# Altium PCB CPU-board-multi-Ethernnet.PcbDoc (part 3 of 3)
Units mm, origin at the board's own origin, x right, y up, seen from the top; angles counter-clockwise.
Board outline 124.38 x 78.66 mm, 5 copper layers (L1, L1-2, L2, L3, L4); 321 components, 264 nets, 1005 pads, 365 vias.
Unrouted connection lines stored in the file: 97.
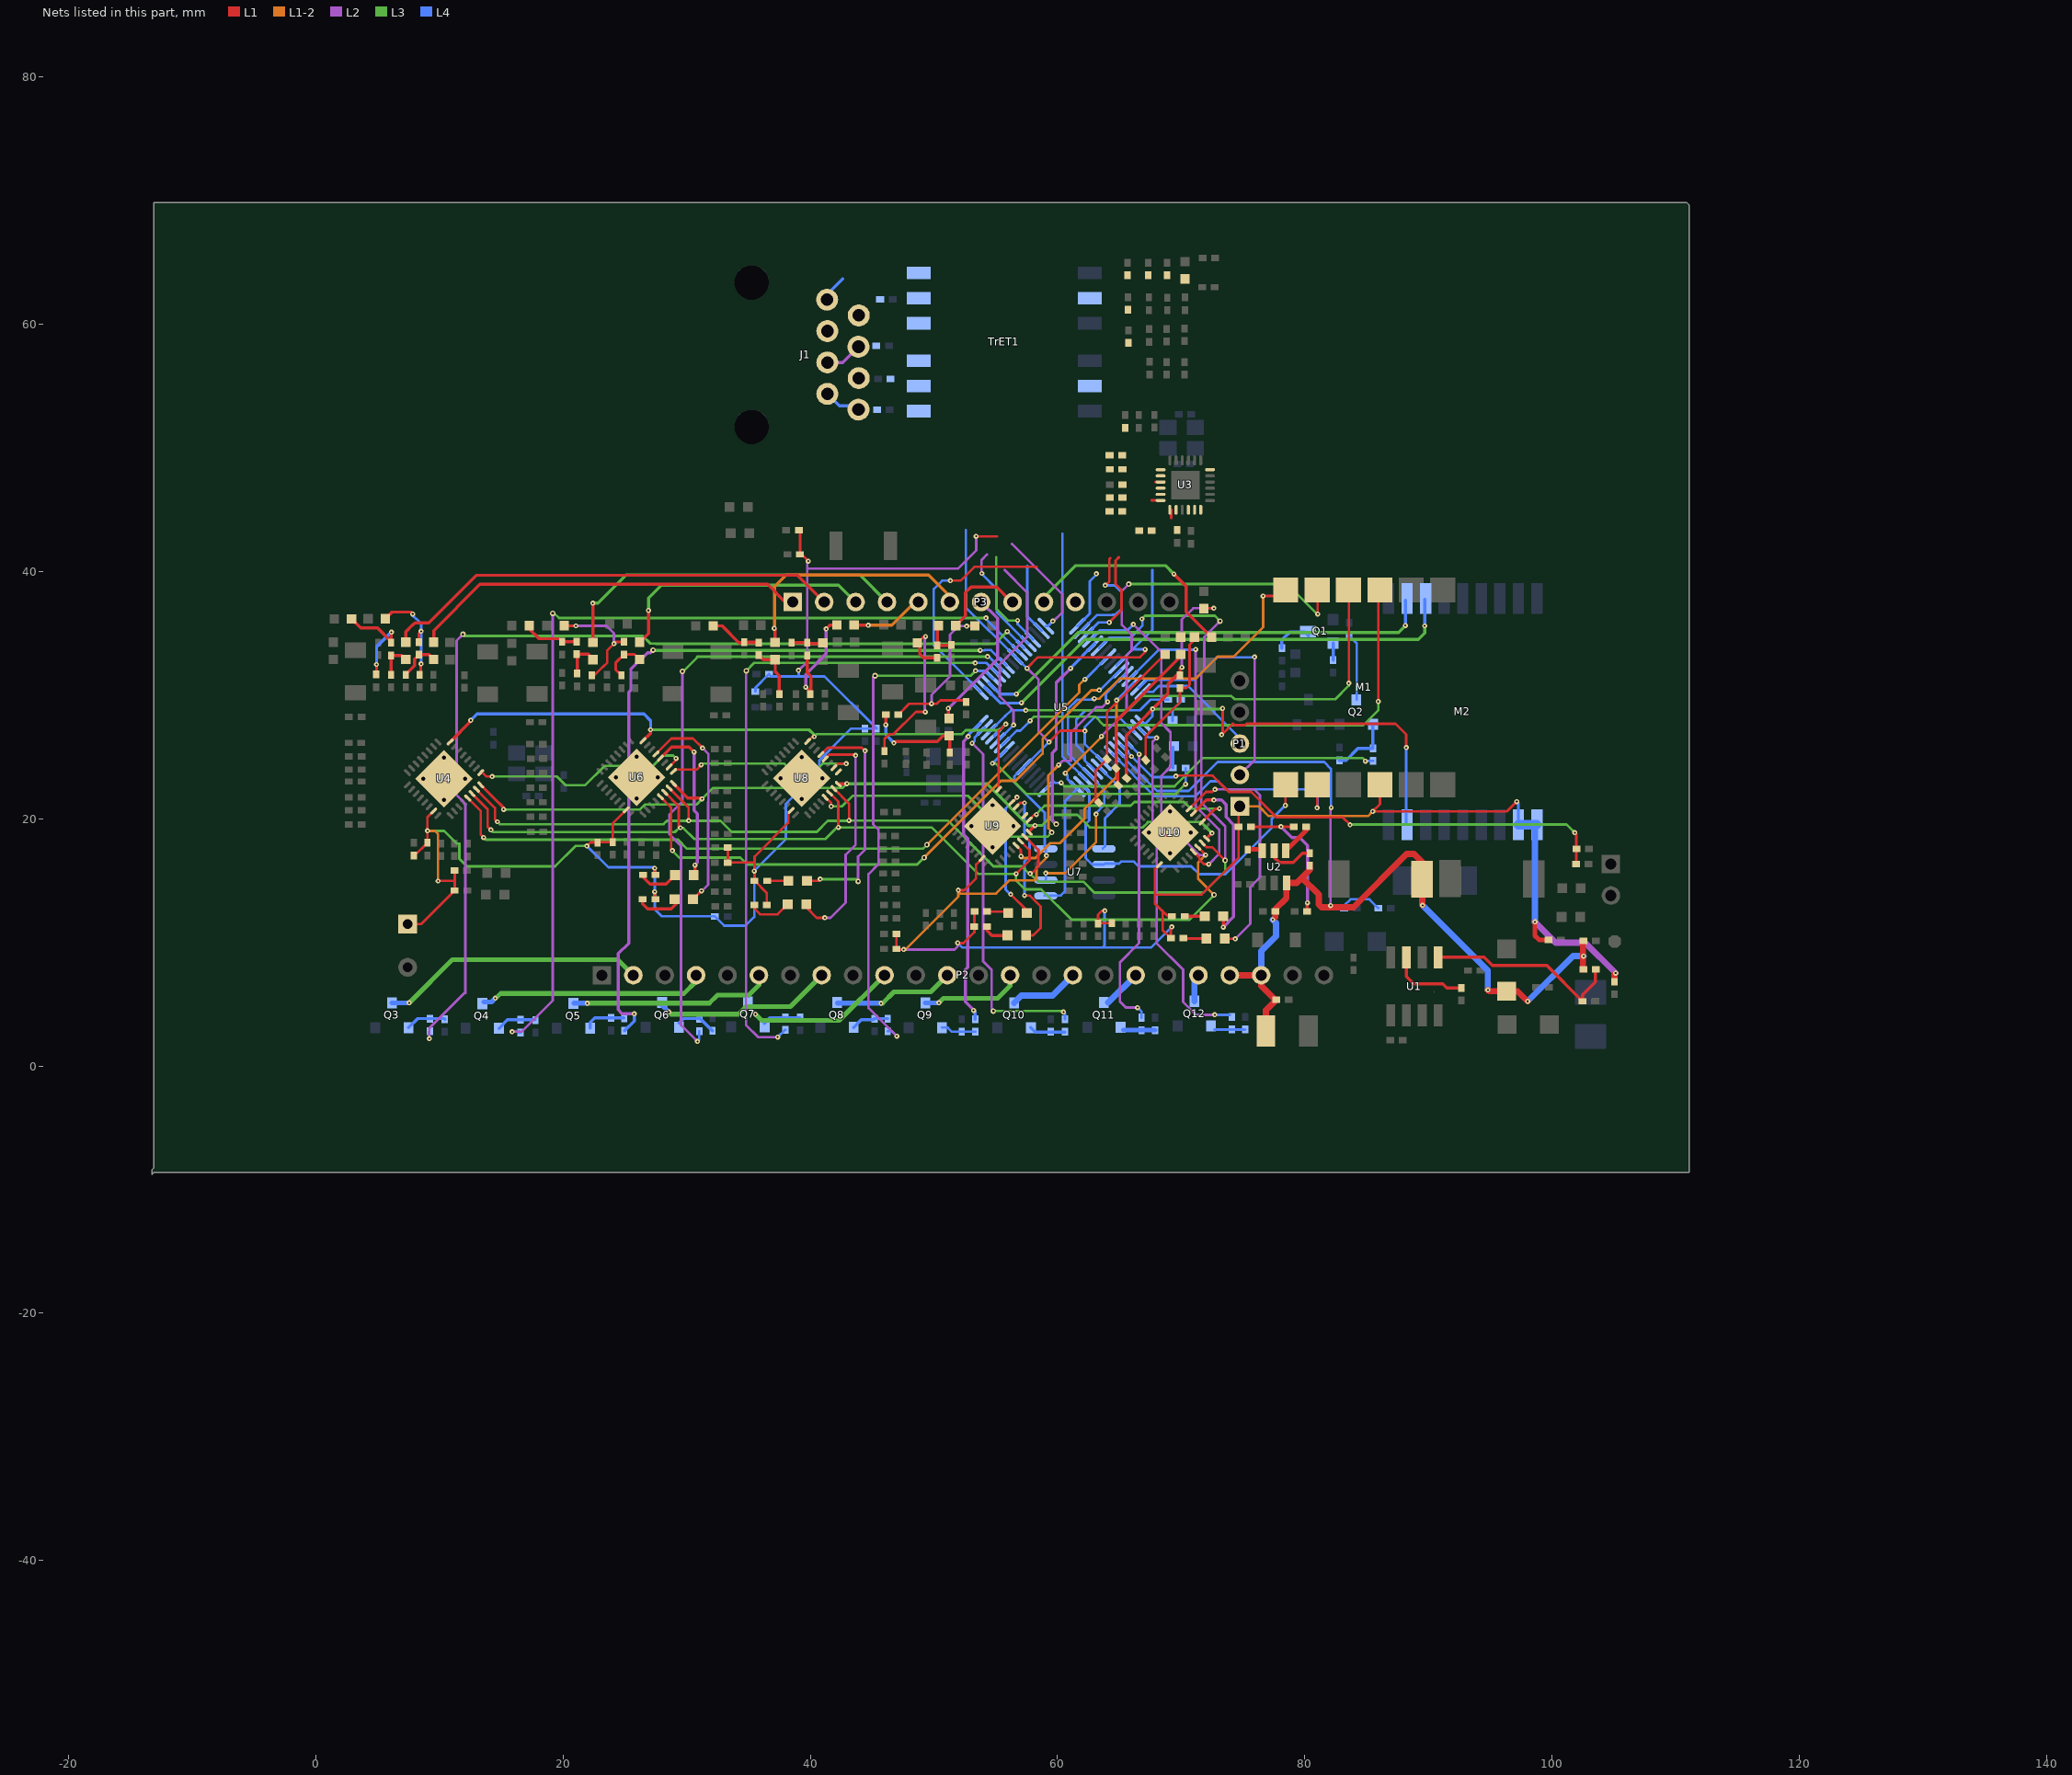
[diagram p6: the nets of this part, all layers, seen from the top]

## Via types
v1: diameter 0.406, hole 0.152, L1 to L4, 80 vias
v2: diameter 0.406, hole 0.152, L1 to L2, 56 vias
v3: diameter 0.406, hole 0.152, L1 to L3, 50 vias
v4: diameter 0.406, hole 0.152, L1 to L1-2, 48 vias
v5: diameter 0.406, hole 0.152, L3 to L4, 34 vias
v6: diameter 0.406, hole 0.152, L2 to L4, 29 vias
v7: diameter 0.66, hole 0.33, L1 to L4, tented top, 24 vias
v8: diameter 0.45, hole 0.2, L2 to L3, 21 vias
v9: diameter 0.406, hole 0.152, L1-2 to L4, 16 vias
v10: diameter 0.45, hole 0.2, L1-2 to L3, 4 vias
v11: diameter 0.406, hole 0.152, L1-2 to L2, 3 vias

## Nets (pads, with @x,y where several pads share a name; then routed paths per layer and width w, separated by ;. In a path a pad name is that pad's centre, name@x,y a point inside that pad or via, vN(x,y) a via of type N, cw(c..) or ccw(c..) an arc to the next point about the centre after c; other vN are vias at no path point) (continued)
NetD12_1: D12.1 R69.2 | length 3.3
  L1 w0.254: R69.2@26.467,15.469 26.467,15.265 27.026,14.707 28.321,14.707 D12.1@29.058,15.443
NetD12_2: D12.2 U6.4 | length 13.3
  L1 w0.254: U6.4@27.868,24.898 28.776,25.806 30.175,25.806 v2(30.582,25.4) ; D12.2@30.658,15.543 v2(30.658,16.256)
  L2 w0.254: v2(30.582,25.4) 30.582,20.676 30.861,20.396 30.861,16.459 v2(30.658,16.256)
NetD13_1: D13.1 R70.2 | length 3.6
  L1 w0.254: R70.2@26.441,13.487 26.441,13.106 26.822,12.725 28.727,12.725 D13.1@29.248,13.246
NetD13_2: D13.2 U6.5 | length 17.6
  L1 w0.203: U6.5@27.514,25.252 28.755,26.492 30.505,26.492 v2(31.267,25.73) ; D13.2@30.507,13.487 31.191,14.172 v2(31.191,14.173)
  L2 w0.203: v2(31.191,14.173) 31.217,14.148 31.725,14.656 31.725,21.366 31.745,21.387 31.745,25.253 v2(31.267,25.73)
NetD14_1: D14.1 R68.1 | length 1.8
  L4 w0.203: D14.1@69.315,27.915 69.315,28.828 R68.1@69.977,29.489
NetD15_1: D15.1 R67.1 | length 1.7
  L4 w0.203: R67.1@69.342,24.105 D15.1@69.342,25.806
NetD16_1: D16.1 R84.1 | length 3.5
  L1 w0.203: R84.1@35.458,13.03 35.458,12.751 35.941,12.268 37.362,12.268 D16.1@38.175,13.081
NetD16_2: D16.2 U8.4 | length 18.9
  L1 w0.203: D16.2@39.675,12.827 40.513,11.989 v2(41.173,11.989) ; U8.4@41.203,24.847 41.552,25.197 43.586,25.197 v2(43.663,25.121)
  L2 w0.203: v2(41.173,11.989) 41.631,11.989 42.85,13.208 42.85,17.094 43.663,17.907 v2(43.663,25.121)
NetD17_1: D17.1 R86.1 | length 1.7
  L1 w0.203: R86.1@36.5,14.986 D17.1@38.227,14.986
NetD17_2: D17.2 U8.5 | length 19
  L1 w0.203: D17.2@39.727,14.986 40.665,14.986 v3(40.792,15.113) ; U8.5@40.849,25.201 41.404,25.756 44.171,25.756 v2(44.425,25.502)
  L2 w0.203: v8(43.866,14.935) 43.866,16.942 44.425,17.501 v2(44.425,25.502)
  L3 w0.203: v3(40.792,15.113) 43.688,15.113 v8(43.866,14.935)
NetD18_1: D18.1 R98.1 | length 2.1
  L1 w0.1: 54.28,10.973 R98.1@54.28,11.278
  L1 w0.254: 54.28,10.973 54.686,10.566 D18.1@55.956,10.566
NetD18_2: D18.2 U9.4 | length 13.5
  L1 w0.203: U9.4@56.646,20.961 U9.4@56.646,20.961 56.972,21.285 v1(57.328,21.285) ; v1(57.328,13.792) 57.734,13.792 58.623,12.903 58.623,11.151 58.039,10.566 D18.2@57.456,10.566
  L4 w0.203: v1(57.328,13.792) 57.328,16.561 57.734,16.967 57.734,18.186 57.328,18.593 v1(57.328,21.285)
NetD19_1: D19.1 R100.1 | length 1.6
  L1 w0.203: R100.1@54.305,12.497 D19.1@55.88,12.497
NetD19_2: D19.2 U9.5 | length 11
  L1 w0.203: v1(56.21,13.894) 57.507,12.597 D19.2@57.507,12.37 ; U9.5@56.293,21.315 56.718,21.74 v1(56.718,21.742)
  L4 w0.203: v1@56.185,13.894 55.804,14.274 55.804,20.829 v1(56.718,21.742)
NetD20_1: D20.1 R114.1 | length 1.8
  L1 w0.254: R114.1@70.206,10.312 D20.1@72.034,10.312
NetD20_2: D20.2 U10.5 | length 19.8
  L1 w0.203: U10.5@70.644,20.807 72.011,22.174 72.542,22.174 v2(72.746,22.377) ; D20.2@73.56,10.287 v2(74.371,10.287)
  L2 w0.203: v2(72.746,22.377) 75.921,22.377 76.378,21.92 76.378,15.265 75.59,14.478 75.59,11.506 v2(74.371,10.287)
NetD21_1: D21.1 R113.1 | length 1.6
  L1 w0.254: R113.1@70.282,12.116 D21.1@71.907,12.116
NetD21_2: D21.2 U10.4 | length 14.6
  L1 w0.254: U10.4@70.997,20.453 72.058,21.514 v2(72.644,21.514) ; v2(73.406,11.227) D21.2@73.406,12.114
  L2 w0.254: v2(72.644,21.514) 73.254,21.514 73.63,21.138 73.63,20.147 74.244,19.533 74.244,12.065 v2(73.406,11.227)
NetJ1_1: J1.1 TrET1.12 | length 2.2
  L4 w0.254: J1.1@41.351,62.001 41.351,62.408 42.621,63.678
NetJ1_2: J1.2 TrET1.10 | length 0
  L4 w0.254: J1.2@43.891,60.706 J1.2@43.917,60.731
NetJ1_3: J1.3 TrET1.9 | length 0.6
  L4 w0.254: J1.3@41.377,58.852 J1.3@41.377,59.461
NetJ1_4: J1.4 J1.5 R27.1 | length 3.4
  L2 w0.254: J1.5@41.377,56.921 42.621,56.921 J1.4@43.891,58.191
  L4 w0.254: J1.5@41.148,56.921 J1.5@41.377,56.921 ; J1.4@43.891,58.191 J1.4@43.967,58.268
NetJ1_6: J1.6 TrET1.7
NetJ1_7: J1.7 J1.8 R34.1 | length 3
  L4 w0.254: J1.7@41.377,54.381 42.342,53.416 43.586,53.416 J1.8@43.891,53.111
NetL4_1: L4.1 P3.1 | length 32.1
  L1 w0.254: L4.1@9.525,34.29 9.525,35.23 13.259,38.964 36.551,38.964 37.973,37.541 P3.1@38.583,37.541
NetL4_2: L4.2 R40.2 R41.2 | length 3.4
  L1 w0.254: R40.2@7.264,31.648 7.264,31.671 7.981,32.387 7.981,32.923 R41.2@8.331,33.274 9.144,33.274 L4.2@9.525,32.893
NetL5_2: L5.2 R41.1 R42.2 | length 8.9
  L1 w0.203: R41.1@8.331,34.29 8.331,35.001 v1(8.509,35.179) v1@8.509,35.281 ; R42.2@8.382,31.648 8.468,31.735 8.468,32.578 v1(8.509,32.537)
  L1 w0.254: L5.2@5.613,36.195 6.147,36.728 7.671,36.728 v1(7.823,36.576)
  L4 w0.203: v1(7.823,36.576) 7.823,36.449 8.103,36.17 8.128,36.17 8.509,35.789 v1(8.509,35.179) v1(8.509,32.537)
NetL7_1: L7.1 P3.2 | length 37.5
  L1 w0.254: L7.1@7.264,34.29 7.264,35.128 7.828,35.692 7.854,35.692 8.026,35.865 9.119,35.865 12.954,39.7 38.964,39.7 P3.2@41.123,37.541
NetL7_2: L7.2 R47.2 R49.2 | length 2.9
  L1 w0.254: R47.2@6.071,31.648 R49.2@6.071,33.223 6.934,33.223 L7.2@7.264,32.893
NetL8_2: L8.2 R49.1 R50.2 | length 8.7
  L1 w0.254: L8.2@2.87,36.17 3.607,35.433 4.978,35.433 R49.1@6.071,34.341 ; R50.2@4.902,31.699 v1(4.902,32.487) ; R49.1@6.071,34.239 R49.1@6.071,34.341 ; v1(6.096,35.103) 6.071,35.103 R49.1@6.071,34.341
  L4 w0.254: v1(4.902,32.487) 4.902,33.909 v1(6.096,35.103)
NetL10_1: L10.1 P3.3 | length 21.6
  L1 w0.254: L10.1@26.187,34.29 26.899,35.001 v3(26.899,36.855)
  L3 w0.254: v3(26.899,36.855) 26.899,37.871 27.94,38.913 42.291,38.913 P3.3@43.663,37.541
NetL10_2: L10.2 R55.2 R57.2 | length 3.6
  L1 w0.203: 24.257,32.639 24.257,32.055 R55.2@24.714,31.598 ; 24.27,32.652 R57.2@24.917,33.299 25.781,33.299 L10.2@26.187,32.893
NetL11_2: L11.2 R57.1 R58.2 | length 9.4
  L1 w0.203: L11.2@20.117,35.611 v2(21.031,35.611) ; R58.2@22.327,31.623 22.525,31.623 23.168,32.266 23.183,32.281 23.213,32.281 23.571,32.639 23.571,33.63 v2(24.105,34.163) 24.257,34.315 R57.1@24.917,34.315
  L2 w0.203: v2(21.031,35.611) 23.495,35.611 24.105,35.001 v2(24.105,34.163)
NetL13_1: L13.1 P3.4 | length 29
  L1 w0.254: L13.1@22.403,34.265 22.403,37.338 22.504,37.44 v3(22.403,37.44)
  L3 w0.254: v3(22.403,37.44) 22.809,37.44 25.095,39.726 44.018,39.726 P3.4@46.203,37.541
NetL13_2: L13.2 R63.2 R64.2 | length 3.1
  L1 w0.254: R63.2@21.133,31.75 21.133,33.274 R64.2@21.082,33.325 22.047,33.325 L13.2@22.403,32.969
NetL14_2: L14.2 R64.1 R66.2 | length 4.1
  L1 w0.254: L14.2@17.247,35.636 17.247,35.382 18.059,34.569 R66.2@19.66,34.569 ; R66.2@19.939,34.341 R64.1@21.082,34.341
NetL16_1: L16.1 P3.5 | length 6
  L1 w0.254: L16.1@43.561,35.662 v4(44.679,35.662)
  L1-2 w0.254: v4(44.679,35.662) 46.584,35.662 48.463,37.541 P3.5@48.743,37.541
NetL16_2: L16.2 R74.2 R75.2 | length 10.2
  L1 w0.254: v2(39.624,30.658) 39.624,30.632 39.98,30.277 R74.2@39.98,30.099 ; R75.2@39.751,33.223 39.751,31.826 40.056,31.521 R74.2@40.056,30.175 ; v2(41.275,35.357) 41.58,35.662 L16.2@42.113,35.662
  L2 w0.254: v2(39.624,30.658) 39.624,31.689 41.275,33.34 v2(41.275,35.357)
NetL17_2: L17.2 R75.1 R77.2 | length 2.6
  L1 w0.254: R77.2@38.481,34.239 R75.1@39.751,34.239 39.827,34.163 40.945,34.163 L17.2@41.021,34.239
NetL19_1: L19.1 P3.6 | length 19.8
  L1 w0.254: v4@37.109,35.408 37.135,35.382 L19.1@37.135,34.265
  L1-2 w0.254: v4(37.084,35.408) 37.109,35.433 37.109,38.786 38.049,39.726 49.555,39.726 P3.6@51.283,37.998
NetL19_2: L19.2 R80.2 R82.2 | length 4.4
  L1 w0.254: R82.2@35.814,33.249 36.195,32.868 L19.2@37.135,32.868 ; L19.2@37.16,32.842 37.16,31.902 37.49,31.572 R80.2@37.49,30.099
NetL20_2: L20.2 R82.1 R83.2 | length 5.5
  L1 w0.254: L20.2@32.131,35.611 32.868,35.611 34.214,34.265 35.56,34.265 R82.1@35.585,34.29 ; R83.2@34.646,34.29 R82.1@35.585,34.29 ; R82.1@35.585,34.29 35.687,34.392 35.789,34.29 R82.1@35.585,34.29
NetL22_1: L22.1 P3.7 | length 11.5
  L1 w0.254: L22.1@51.156,28.194 v2(51.156,28.931)
  L2 w0.254: v2(51.156,28.931) 55.143,32.918 55.143,36.22 P3.7@53.823,37.541
NetL22_2: L22.2 R87.2 R88.2 | length 8.6
  L1 w0.254: v1(46.101,27.61) R88.2@46.101,28.423 ; v1(46.761,26.137) 46.888,26.264 50.292,26.264 50.749,26.721 L22.2@51.232,26.721 ; R87.2@51.283,25.375 L22.2@51.283,26.67
  L4 w0.254: v1(46.101,27.61) 46.101,26.797 v1(46.761,26.137)
NetL23_2: L23.2 R88.1 R89.2 | length 14.4
  L1 w0.203: R88.1@47.117,28.423 48.006,29.312 v2(49.809,29.312) 50.241,29.312 50.521,29.591 R89.2@52.476,29.591 ; v2(52.654,35.585) 52.68,35.611 L23.2@53.315,35.611
  L2 w0.203: v2(49.809,29.312) 49.809,30.023 51.308,31.521 51.308,34.9 51.994,35.585 v2(52.654,35.585)
NetL25_1: L25.1 P3.8 | length 7.4
  L1 w0.254: L25.1@51.765,35.636 52.553,36.424 52.553,38.303 53.01,38.76 55.067,38.76 P3.8@56.286,37.541
NetL25_2: L25.2 R92.2 R94.2 | length 2.6
  L1 w0.254: L25.2@50.267,35.458 R94.2@50.267,34.036 51.384,34.036 R92.2@51.41,34.061
NetL26_2: L26.2 R94.1 R95.2 | length 14.5
  L1 w0.203: R95.2@45.999,25.476 45.999,26.467 46.38,26.848 46.736,26.848 48.539,28.651 v2(49.301,28.651) ; L26.2@48.666,34.239 49.174,34.747 v2(49.327,34.747)
  L1 w0.254: L26.2@48.844,34.061 48.844,33.325 49.149,33.02 R94.1@50.267,33.02
  L2 w0.203: v2(49.301,28.651) 49.251,28.702 49.251,34.671 v2(49.327,34.747)
NetL28_1: L28.1 P3.9 | length 18.6
  L1 w0.254: v3(69.418,39.802) 70.409,38.811 70.409,36.754 L28.1@72.466,34.696
  L3 w0.254: P3.9@58.903,37.541 58.903,37.922 61.468,40.488 68.732,40.488 v3(69.418,39.802)
NetL28_2: L28.2 R101.2 R103.2 | length 11.9
  L1 w0.203: R101.2@67.125,24.747 67.125,26.663 69.901,29.439 R103.2@69.901,30.582 70.409,30.582 70.688,30.861 70.688,34.087 71.069,34.468 L28.2@71.069,34.696
NetL29_2: L29.2 R103.1 R104.2 | length 18.6
  L1 w0.203: R103.1@69.901,31.852 69.901,32.182 69.977,32.258 v2(70.053,32.258) ; L29.2@71.831,37.008 71.857,37.033 v2(72.644,37.033)
  L1 w0.254: R104.2@65.583,23.266 65.558,23.292 65.558,26.746 68.936,30.124 68.936,30.886 R103.1@69.901,31.852
  L2 w0.203: v2(70.053,32.258) 70.053,36.119 70.968,37.033 v2(72.644,37.033)
NetL31_1: L31.1
NetL31_2: L31.2 R109.2 R110.2 | length 12.2
  L1 w0.254: R110.2@64.719,24.105 64.73,24.115 64.73,27.9 L31.2@69.774,32.944 ; R110.2@64.854,23.97 64.854,22.776 R109.2@64.922,22.708
NetL32_2: L32.2 R110.1 R111.2 | length 13.9
  L1 w0.203: R111.2@63.34,21.292 63.079,21.554 63.079,23.901 R110.1@64.001,24.823 64.001,28.619 68.301,32.918 L32.2@68.326,32.918
NetM1_3: M1.3 U5.43 | length 42
  L1 w0.203: v3(85.954,29.489) 85.954,38.379 M1.3@86.081,38.506
  L3 w0.203: v5(57.785,27.94) 58.115,28.27 63.043,28.27 63.737,27.576 84.751,27.576 85.954,28.778 v3(85.954,29.489)
  L4 w0.203: U5.43@55.517,25.966 55.532,25.966 56.693,27.127 56.998,27.127 57.785,27.915 v5(57.785,27.94)
NetM1_4: M1.4 U5.46 | length 38.6
  L1 w0.203: v3(83.566,30.963) M1.4@83.566,38.481
  L3 w0.203: v5(57.429,28.778) 65.71,28.778 66.878,29.947 74.046,29.947 74.317,29.676 82.482,29.676 83.566,30.759 v3(83.566,30.963)
  L4 w0.203: U5.46@54.456,27.027 55.75,28.321 55.778,28.321 56.236,28.778 v5(57.429,28.778)
NetM1_5: M1.5 U5.32 U7.5 | length 48.4
  L1 w0.203: v3(81.051,36.576) M1.5@81.051,38.456
  L2 w0.203: v11(63.551,26.67) 65.583,28.702 65.583,33.223 65.989,33.63 65.989,34.9 65.202,35.687 65.202,38.43 v8(65.761,38.989)
  L3 w0.203: v8(65.761,38.989) 78.562,38.989 80.975,36.576 v3(81.051,36.576)
  L1-2 w0.203: v9(60.63,23.698) 63.551,26.619 v11(63.551,26.67)
  L4 w0.203: U7.5@58.966,13.792 60.274,13.792 60.604,14.122 60.604,21.437 U5.32@61.598,22.431 60.808,23.221 60.808,23.546 60.782,23.546 v9(60.63,23.698)
NetM1_6: M1.6 U5.29 U7.6 | length 41
  L1 w0.203: v4(76.632,38.024) 77.978,38.024 M1.6@78.461,38.506
  L1-2 w0.203: v9(59.055,15.596) 60.604,15.596 63.119,18.11 v9(63.119,20.371) ; v9(62.967,29.718) 63.398,29.718 65.024,31.344 71.171,31.344 72.949,33.122 74.244,33.122 76.632,35.509 v4(76.632,38.024)
  L4 w0.203: U7.6@59.055,15.037 v9(59.055,15.596) ; v9(62.967,29.718) 62.814,29.718 62.738,29.642 61.595,29.642 60.833,28.88 60.833,25.317 U5.29@62.658,23.491 63.772,22.377 63.772,21.126 63.119,20.472 v9(63.119,20.371)
NetM1_7: M1.7 U5.31 U7.2 | length 27.6
  L1 w0.203: v1(78.435,21.082) M1.7@78.435,22.733
  L4 w0.203: U5.31@61.951,22.784 62.578,22.158 62.578,19.88 62.281,19.583 62.281,16.815 62.789,16.307 U7.2@63.755,16.307 63.831,16.383 64.973,16.383 65.126,16.535 66.192,16.535 66.573,16.154 70.815,16.154 71.45,15.519 73.584,15.519 77.318,19.253 77.318,19.964 v1(78.435,21.082)
NetM1_8: M1.8 U5.24 | length 22
  L1 w0.203: v1(81.001,20.879) M1.8@81.001,22.758
  L4 w0.203: U5.24@64.426,25.259 67.867,21.819 71.145,21.819 72.365,23.038 73,23.038 73.66,22.377 80.747,22.377 81.026,22.098 81.026,20.904 v1(81.001,20.879)
NetM2_11: M2.11 U5.51 | length 38.4
  L3 w0.254: v5(56.667,30.099) 61.646,35.077 87.579,35.077 v5(88.138,35.636)
  L4 w0.254: U5.51@54.456,30.987 55.344,30.099 v5(56.667,30.099) ; v5(88.138,35.636) M2.11@88.138,37.675
NetM2_12: M2.12 U5.50 | length 41.2
  L3 w0.254: v5(57.074,29.388) 62.205,34.519 89.205,34.519 89.713,35.027 v5(89.713,35.611)
  L4 w0.254: U5.50@54.102,30.633 55.373,29.362 57.048,29.362 v5(57.074,29.388) ; v5(89.713,35.611) M2.12@89.713,37.75
NetP1_2: P1.2 U5.15 | length 20.5
  L2 w0.203: P1.2@74.752,23.546 75.946,24.74 v6(75.946,33.096)
  L4 w0.203: U5.15@66.548,30.633 66.619,30.633 67.245,31.26 71.087,31.26 72.898,33.071 75.921,33.071 v6(75.946,33.096)
NetP1_3: P1.3 U5.16 | length 10.2
  L4 w0.203: U5.16@66.901,30.28 67.745,30.28 68.199,30.734 70.561,30.734 74.752,26.543 P1.3@74.752,26.086
NetP2_1: 
NetP2_2: P2.2 Q3.C | length 21.5
  L3 w0.381: v5(7.544,5.105) 11.049,8.611 24.409,8.611 P2.2@25.679,7.341
  L4 w0.254: Q3.C@6.143,5.099 Q3.C@6.15,5.105
  L4 w0.381: Q3.C@6.15,5.105 v5(7.544,5.105)
NetP2_3: 
NetP2_4: P2.4 Q4.C | length 18.4
  L3 w0.254: v5(14.503,5.486) v5@14.529,5.461 ; P2.4@30.759,6.858 P2.4@30.759,7.341
  L3 w0.381: v5@14.529,5.461 14.935,5.867 29.769,5.867 P2.4@30.759,6.858
  L4 w0.381: Q4.C@13.592,5.182 14.199,5.182 v5(14.503,5.486)
NetP2_5: 
NetP2_6: P2.6 Q5.C | length 16.4
  L3 w0.254: 35.839,6.553 P2.6@35.839,7.341
  L3 w0.381: v5(21.946,5.08) 31.826,5.08 32.487,5.74 35.027,5.74 35.839,6.553
  L4 w0.381: Q5.C@20.853,5.08 v5(21.946,5.08)
NetP2_7: 
NetP2_8: P2.8 Q6.C | length 14.5
  L3 w0.381: 28.727,4.191 34.188,4.191 34.798,4.801 38.379,4.801 P2.8@40.919,7.341
  L4 w0.254: Q6.C@28.016,4.902 Q6.C@28.016,5.131
  L4 w0.381: Q6.C@28.016,4.902 v5(28.55,4.369)
NetP2_9: 
NetP2_10: P2.10 Q7.C | length 13.1
  L1 w0.203: P2.10@45.949,7.341 P2.10@45.999,7.341
  L3 w0.381: v5(35.56,4.191) 36.068,3.683 42.342,3.683 P2.10@45.999,7.341
  L4 w0.203: Q7.C@34.947,4.804 v5(35.56,4.191)
NetP2_11: 
NetP2_12: P2.12 Q8.C | length 10.3
  L3 w0.381: v5(45.72,5.08) 45.847,5.08 46.761,5.994 49.733,5.994 P2.12@51.079,7.341
  L4 w0.254: P2.12@51.079,6.883 P2.12@51.079,7.341
  L4 w0.381: Q8.C@42.204,5.08 v5(45.72,5.08)
NetP2_13: 
NetP2_14: P2.14 Q9.C | length 8.3
  L3 w0.381: v5(50.394,5.105) 50.775,5.486 55.169,5.486 56.159,6.477 P2.14@56.159,7.341
  L4 w0.381: Q9.C@49.301,5.105 v5(50.394,5.105)
NetP2_15: 
NetP2_16: P2.16 Q10.C | length 5.7
  L4 w0.508: Q10.C@56.49,5.105 57.074,5.69 59.588,5.69 P2.16@61.239,7.341
NetP2_17: 
NetP2_18: P2.18 Q11.C | length 3.1
  L4 w0.508: Q11.C@64.11,5.131 P2.18@66.319,7.341
NetP2_19: 
NetP2_20: P2.20 Q12.C | length 2.3
  L1 w0.254: P2.20@71.399,7.341 P2.20@71.425,7.366
  L4 w0.508: Q12.C@71.069,5.232 71.069,7.01 P2.20@71.399,7.341
NetP3_10: P3.10
NetQ1_C: Q1.C R10.2 | length 3.2
  L4 w0.254: R10.2@78.156,33.807 78.156,34.468 78.816,35.128 79.985,35.128 Q1.C@80.289,34.823
NetQ1_E: Q1.E R4.1 | length 1.4
  L4 w0.254: R4.1@82.296,32.842 Q1.E@82.296,34.214
NetQ2_B: Q2.B R13.1 R16.1 | length 5
  L4 w0.254: R16.1@82.804,24.74 83.337,24.74 84.303,25.705 R13.1@85.522,25.705 Q2.B@85.522,27.635
NetQ2_C: Q2.C R9.1 | length 5.4
  L4 w0.203: R9.1@83.591,34.823 84.201,34.214 Q2.C@84.201,29.664
NetQ3_B: Q3.B R48.2 R51.2 | length 3.2
  L4 w0.254: Q3.B@7.493,3.099 8.23,3.835 R48.2@9.22,3.835 10.363,3.835 R51.2@10.414,3.785
NetQ4_B: Q4.B R54.2 R56.2 | length 3.2
  L4 w0.254: Q4.B@14.808,3.048 15.494,3.734 R54.2@16.561,3.734 R56.2@17.729,3.734
NetQ5_B: Q5.B R60.2 R62.2 | length 3.4
  L4 w0.254: Q5.B@22.178,3.055 22.178,3.509 22.555,3.886 R62.2@23.876,3.886 R60.2@24.917,3.886
NetQ6_B: Q6.B R65.2 R71.2 | length 3.3
  L4 w0.254: Q6.B@29.366,3.484 29.718,3.835 R65.2@31.013,3.835 31.074,3.835 32.065,2.845 R71.2@32.08,2.845
NetQ7_B: Q7.B R73.2 R76.2 | length 3.1
  L4 w0.254: Q7.B@36.297,3.454 36.754,3.912 R76.2@39.167,3.912
NetQ8_B: Q8.B R79.2 R81.2 | length 3
  L4 w0.254: Q8.B@43.51,3.124 44.12,3.734 45.085,3.734 R81.2@45.187,3.835 R79.2@46.253,3.835
NetQ9_B: Q9.B R91.2 R93.2 | length 2.8
  L4 w0.203: Q9.B@50.651,3.105 51.124,3.105 51.46,2.769 R93.2@52.248,2.769 R91.2@53.34,2.769
NetQ10_B: Q10.B R97.2 R99.2 | length 2.9
  L4 w0.254: Q10.B@57.84,3.105 58.202,2.743 R97.2@60.579,2.743
NetQ11_B: Q11.B R102.2 R105.2 | length 2.6
  L4 w0.381: Q11.B@65.339,2.896 R102.2@66.802,2.896 R105.2@67.894,2.896
NetQ12_B: Q12.B R107.2 R108.2 | length 2.5
  L4 w0.254: Q12.B@72.705,2.946 R107.2@74.117,2.946 R108.2@75.184,2.946
NetR1_1: R1.1 U1.7 | length 6.4
  L1 w0.254: U1.7@88.24,8.788 88.24,7.239 88.824,6.655 91.161,6.655 91.491,6.325 R1.1@92.685,6.325
NetR3_1: R3.1 R7.2 U5.23 | length 35.7
  L2 w0.203: v6(82.093,12.979) 82.093,20.853 v6(82.144,20.904)
  L4 w0.203: U5.23@64.78,25.613 65.486,24.906 65.486,24.811 68.047,22.25 70.603,22.25 72.948,24.596 81.576,24.596 82.118,24.054 v6@82.118,20.904 ; v6(82.093,12.979) 82.296,12.776 R7.2@83.185,12.776 83.185,12.979 83.693,13.487 85.242,13.487 R3.1@85.954,12.776